# Altium PCB BW1097.PcbDoc (part 7 of 7)
Units mil, origin at the board's own origin, x right, y up, seen from the top; angles counter-clockwise.
Board outline 4330.71 x 2362.21 mil, 6 copper layers (Top Copper, Signal Layer 1, Signal Layer 2, Signal Layer 3, Signal Layer 4, Bottom Copper), stack 62.873 mil thick; 270 components, 263 nets, 1210 pads, 777 vias.
Unrouted connection lines stored in the file: 24.
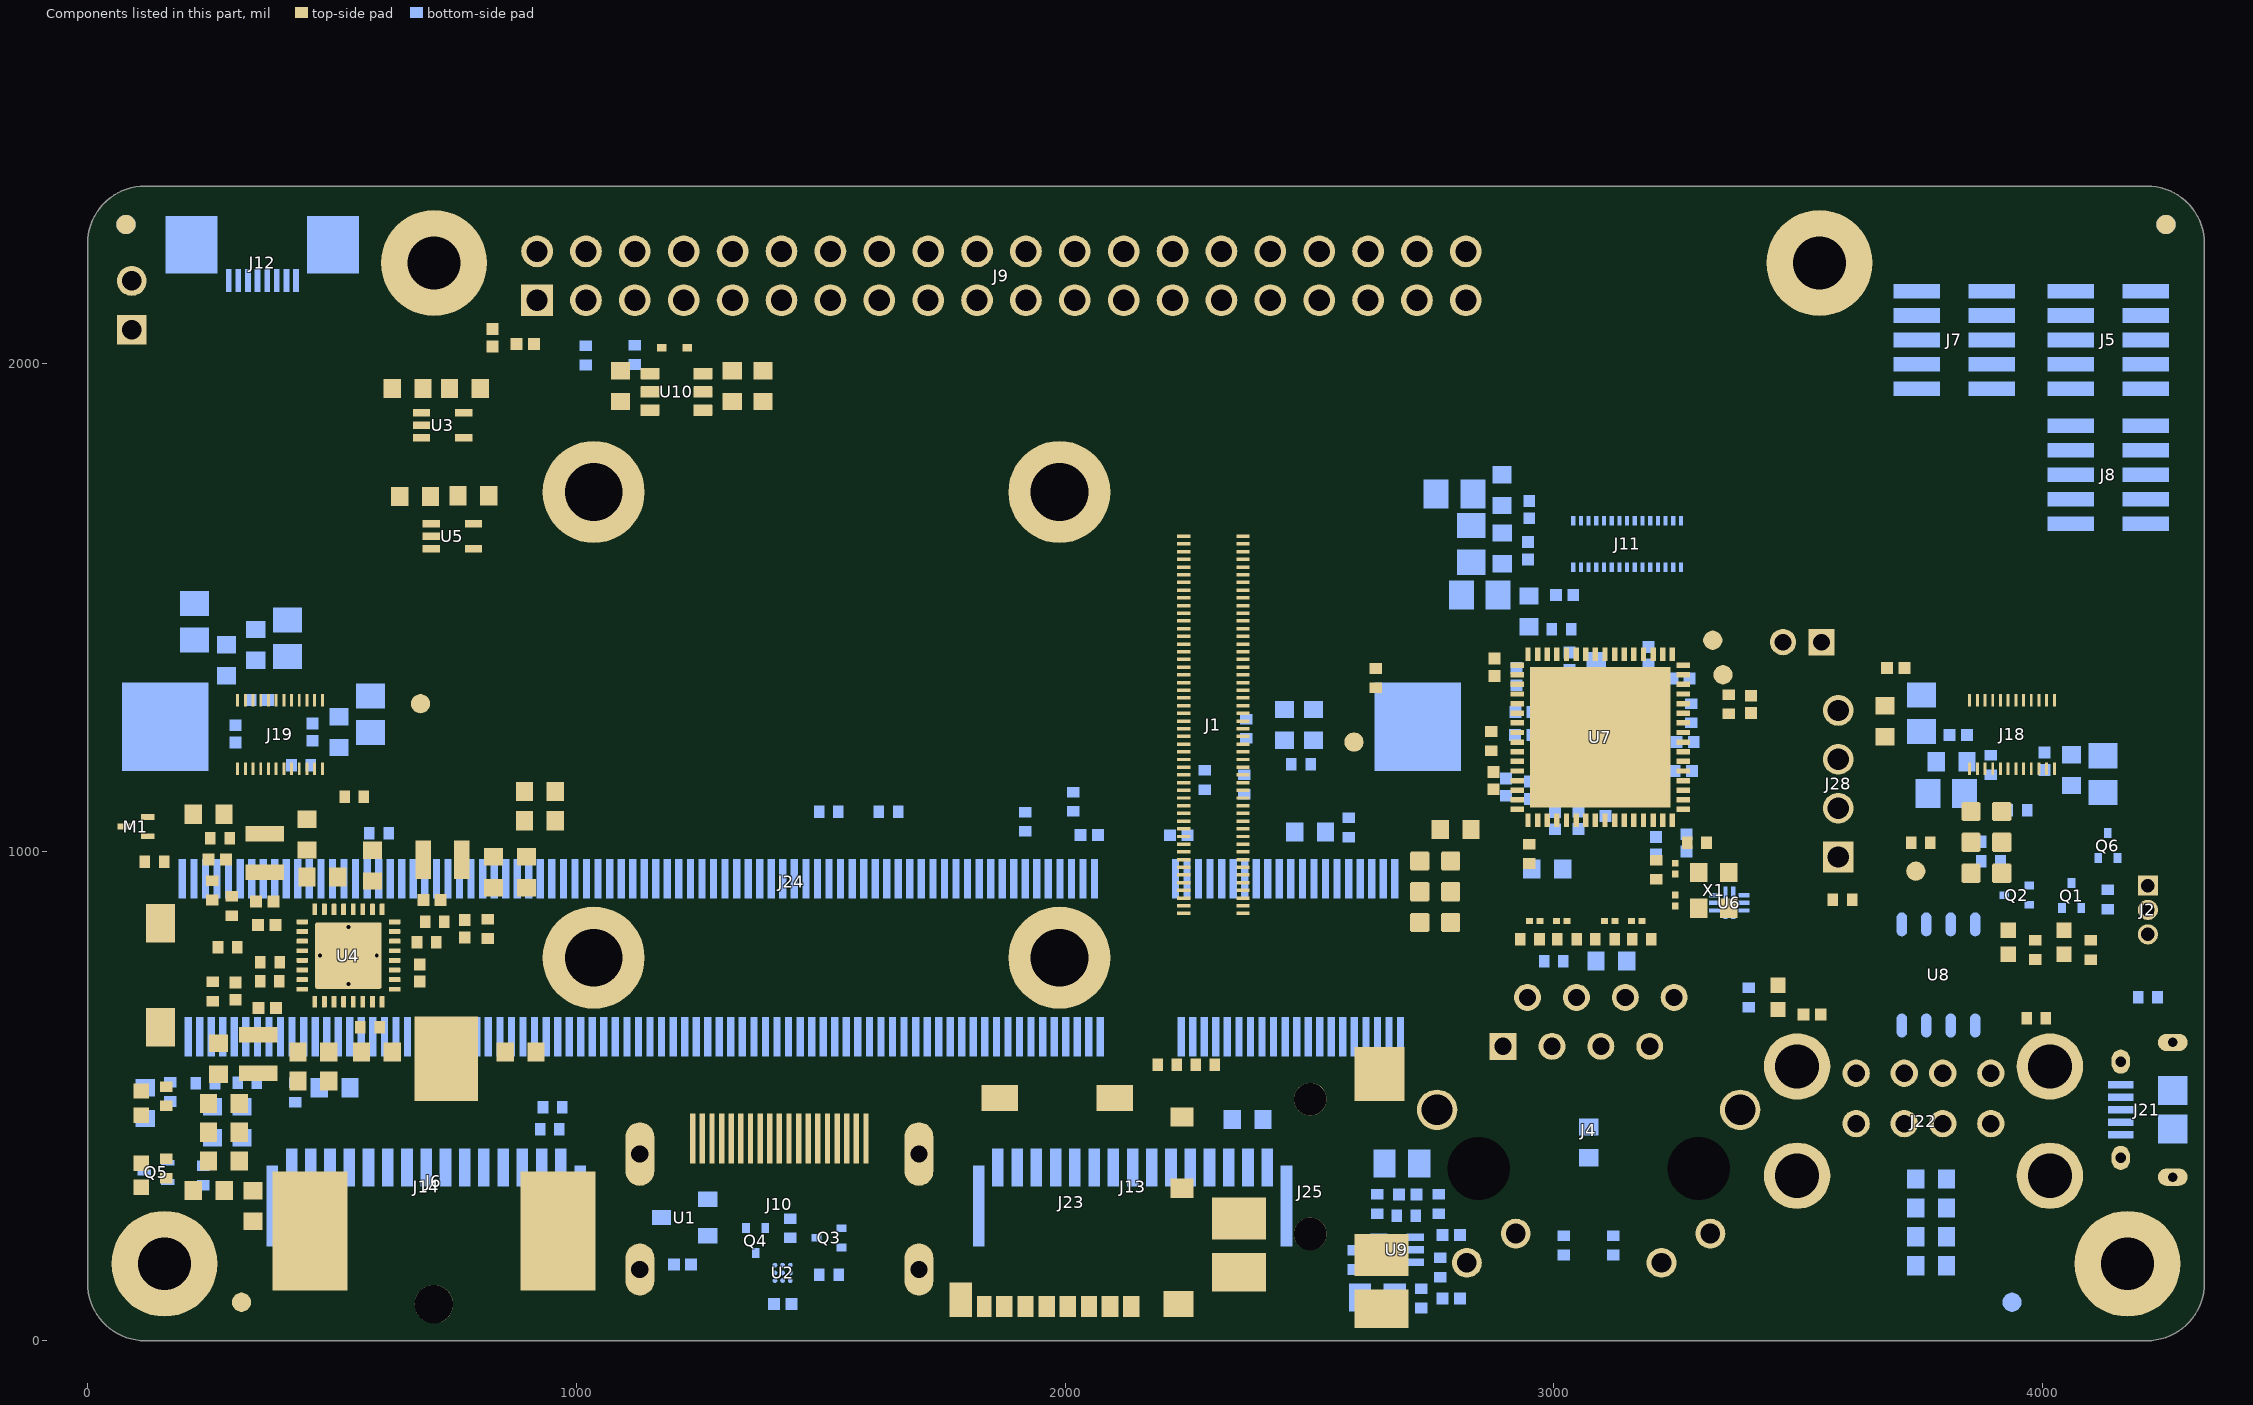
[diagram p11: the components of this part, seen from the top]

## Silkscreen, mask and mechanical layers (free items; w line width, h text height) (continued)
Bottom Overlay:
  drawing of 17 lines, arcs and shapes, not listed
  text "Pb" at 3173.94,2145.67 h216.54
  text "RPI_JTAG" at 434.78,2102.61 h39.37
  text "RoHS" at 3165.35,2031.34 h78.74
  text "BW1097 '.Revision'" at 4248.03,1401.57 h59.06
  text "DSI" at 2019.68,407.73 h78.74
  text "CSI" at 577.7,406.04 h78.74
Board:
  lines w1: 0,118.11 ccw(c118.11,118.11) 118.11,0 4212.6,0 ccw(c4212.6,118.11) 4330.71,118.11 4330.71,2244.09 ccw(c4212.6,2244.09) 4212.6,2362.2 118.11,2362.21 ccw(c118.11,2244.09) 0,2244.09 0,118.11
Top Assembly:
  lines w3.94: 919.29,669.66 2494.1,669.66 2494.1,1850.76 919.29,1850.76 919.29,669.66
  text "Camera Module:  / A12N02A-201-0JG" at 2811.02,1901.57 h49.21
  text "Camera Module / TG161B or AN01V32-0JG" at 424.61,1299.21 h49.21 r90
  text "Luxonis / BW1099 Module" at 1334.65,1291.34 h39.37
  text "Camera Module / TG161B or AN01V32-0JG" at 3973.6,1282.17 h49.21 r90
Bottom Assembly:
  text "Raspberry PI  / Compute Module" at 1783.46,1677.17 h78.74

## Dimensions
3543.31,2204.72 to 0,2362.2 on Dimensions
3937.01,2047.24 to 0,2362.2 on Dimensions
3149.61,1866.14 to 0,2362.2 on Dimensions
708.66,2204.72 to 0,2362.2 on Dimensions
393.7,2047.24 to 0,2362.2 on Dimensions
2322.83,1259.84 to 0,0 on Dimensions
2303.15,1279.53 to 0,0 on Dimensions
4173.23,157.48 to 0,0 on Dimensions
708.66,2204.72 to 0,0 on Dimensions
0,0 to 157.48,157.48 on Dimensions
0,0 to 157.48,157.48 on Dimensions
0,0 to 4330.71,118.11 on Dimensions
1035.43,1736.22 to 118.11,0 on Dimensions
1035.43,783.46 to 118.11,0 on Dimensions
0,118.11 to 1988.19,783.46 on Dimensions
0,118.11 to 1035.43,783.46 on Dimensions

## Text inside footprints (layer, text, board x,y; h text height)
J5: Bottom Overlay "9" at 4000,2181.1 h39.37 r270; Bottom Overlay "1" at 3998.86,1900.12 h39.37 r270
J7: Bottom Overlay "9" at 3685.04,2181.1 h39.37 r270; Bottom Overlay "1" at 3683.9,1900.12 h39.37 r270
J8: Bottom Overlay "9" at 3976.38,1862.2 h39.37 r270; Bottom Overlay "1" at 3998.86,1624.53 h39.37 r270
J9: Top Overlay "2" at 824.02,2213.78 h39.37; Top Overlay "1" at 835.83,2107.48 h39.37; Top Overlay "39" at 2887.8,2107.48 h39.37; Top Overlay "40" at 2887.8,2213.78 h39.37
J12: Bottom Overlay "1" at 255.31,2166.79 h39.37 r180; Bottom Overlay "8" at 448.22,2166.79 h39.37 r180
J13: Bottom Overlay "15" at 1874.02,409.45 h39.37; Bottom Overlay "1" at 2456.69,417.32 h39.37; Assembly Notes (Mech10) "Keepout: flex cable region" at 2547.24,-39.37 h39.37; Bottom Component Outline (Mech32) "Slider open" at 2535.43,55.12 h39.37
J14: Bottom Overlay "15" at 429.13,409.45 h39.37; Bottom Overlay "1" at 1011.81,417.32 h39.37; Assembly Notes (Mech10) "Keepout: flex cable region" at 1102.36,-39.37 h39.37; Bottom Component Outline (Mech32) "Slider open" at 1090.55,55.12 h39.37
J21: Bottom Assembly "PCB EDGE" at 4314.96,724.41 h11.81 r270
J24: Bottom Overlay "1" at 2734.74,552.52 h39.37; Bottom Overlay "199" at 176.63,553.2 h39.37; Bottom Courtyard "<1mm height" at 1633.01,1537.24 h39.37
J28: Top Overlay "1" at 3657.48,913.39 h39.37 r90
J29: Top Overlay "1" at 141.73,1993.7 h39.37 r90